# Altium PCB ADAM202303_BACKDOOR.PcbDoc (part 1 of 2)
Units mil, origin at the board's own origin, x right, y up, seen from the top; angles counter-clockwise.
Board outline 3869.58 x 3543.31 mil, 2 copper layers (Top Layer, Bottom Layer); 120 components, 83 nets, 420 pads, 203 vias.
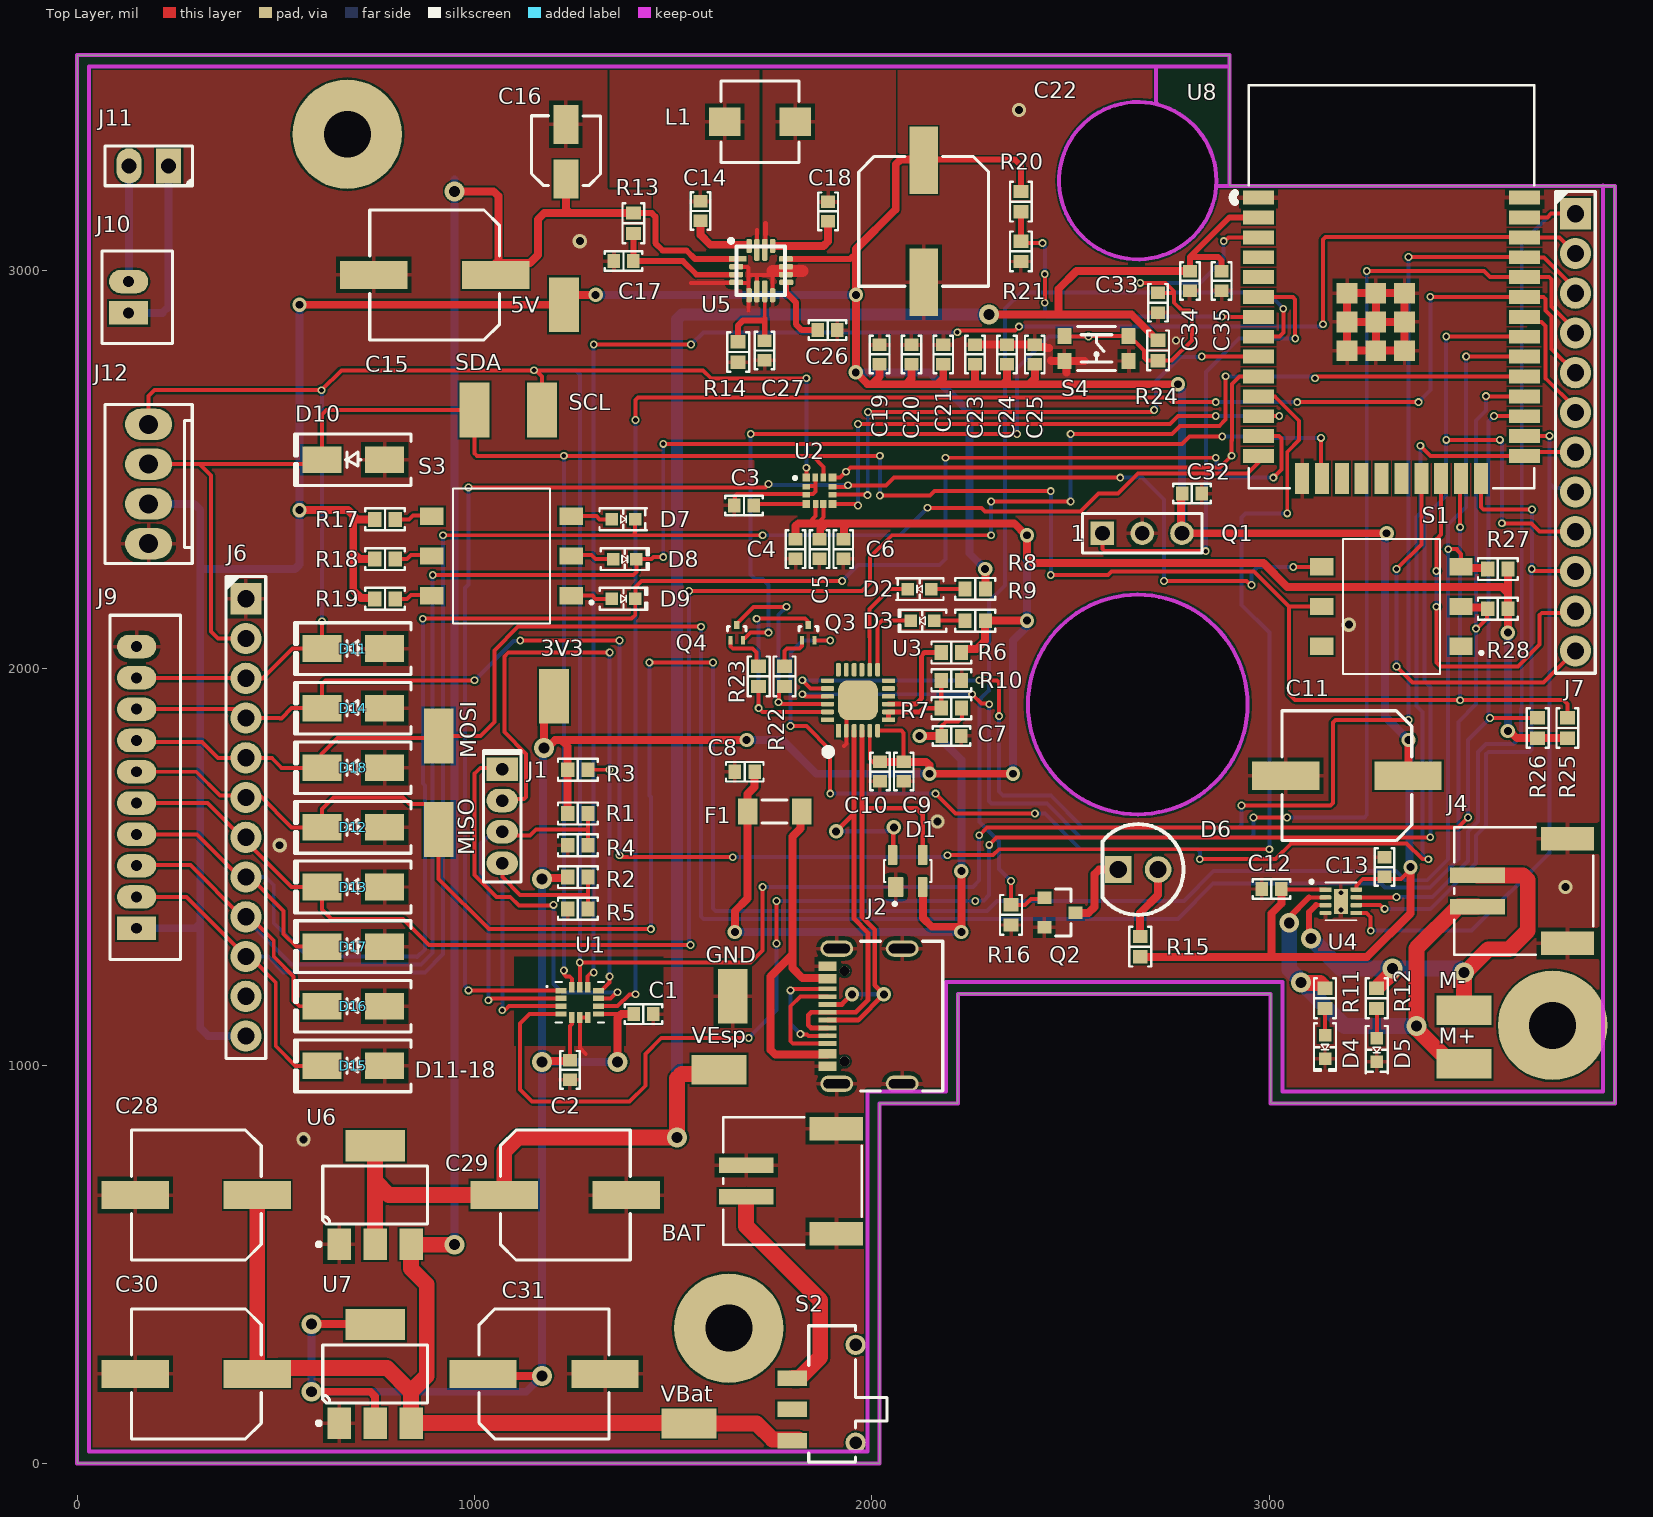
[diagram p0: Top Layer view]
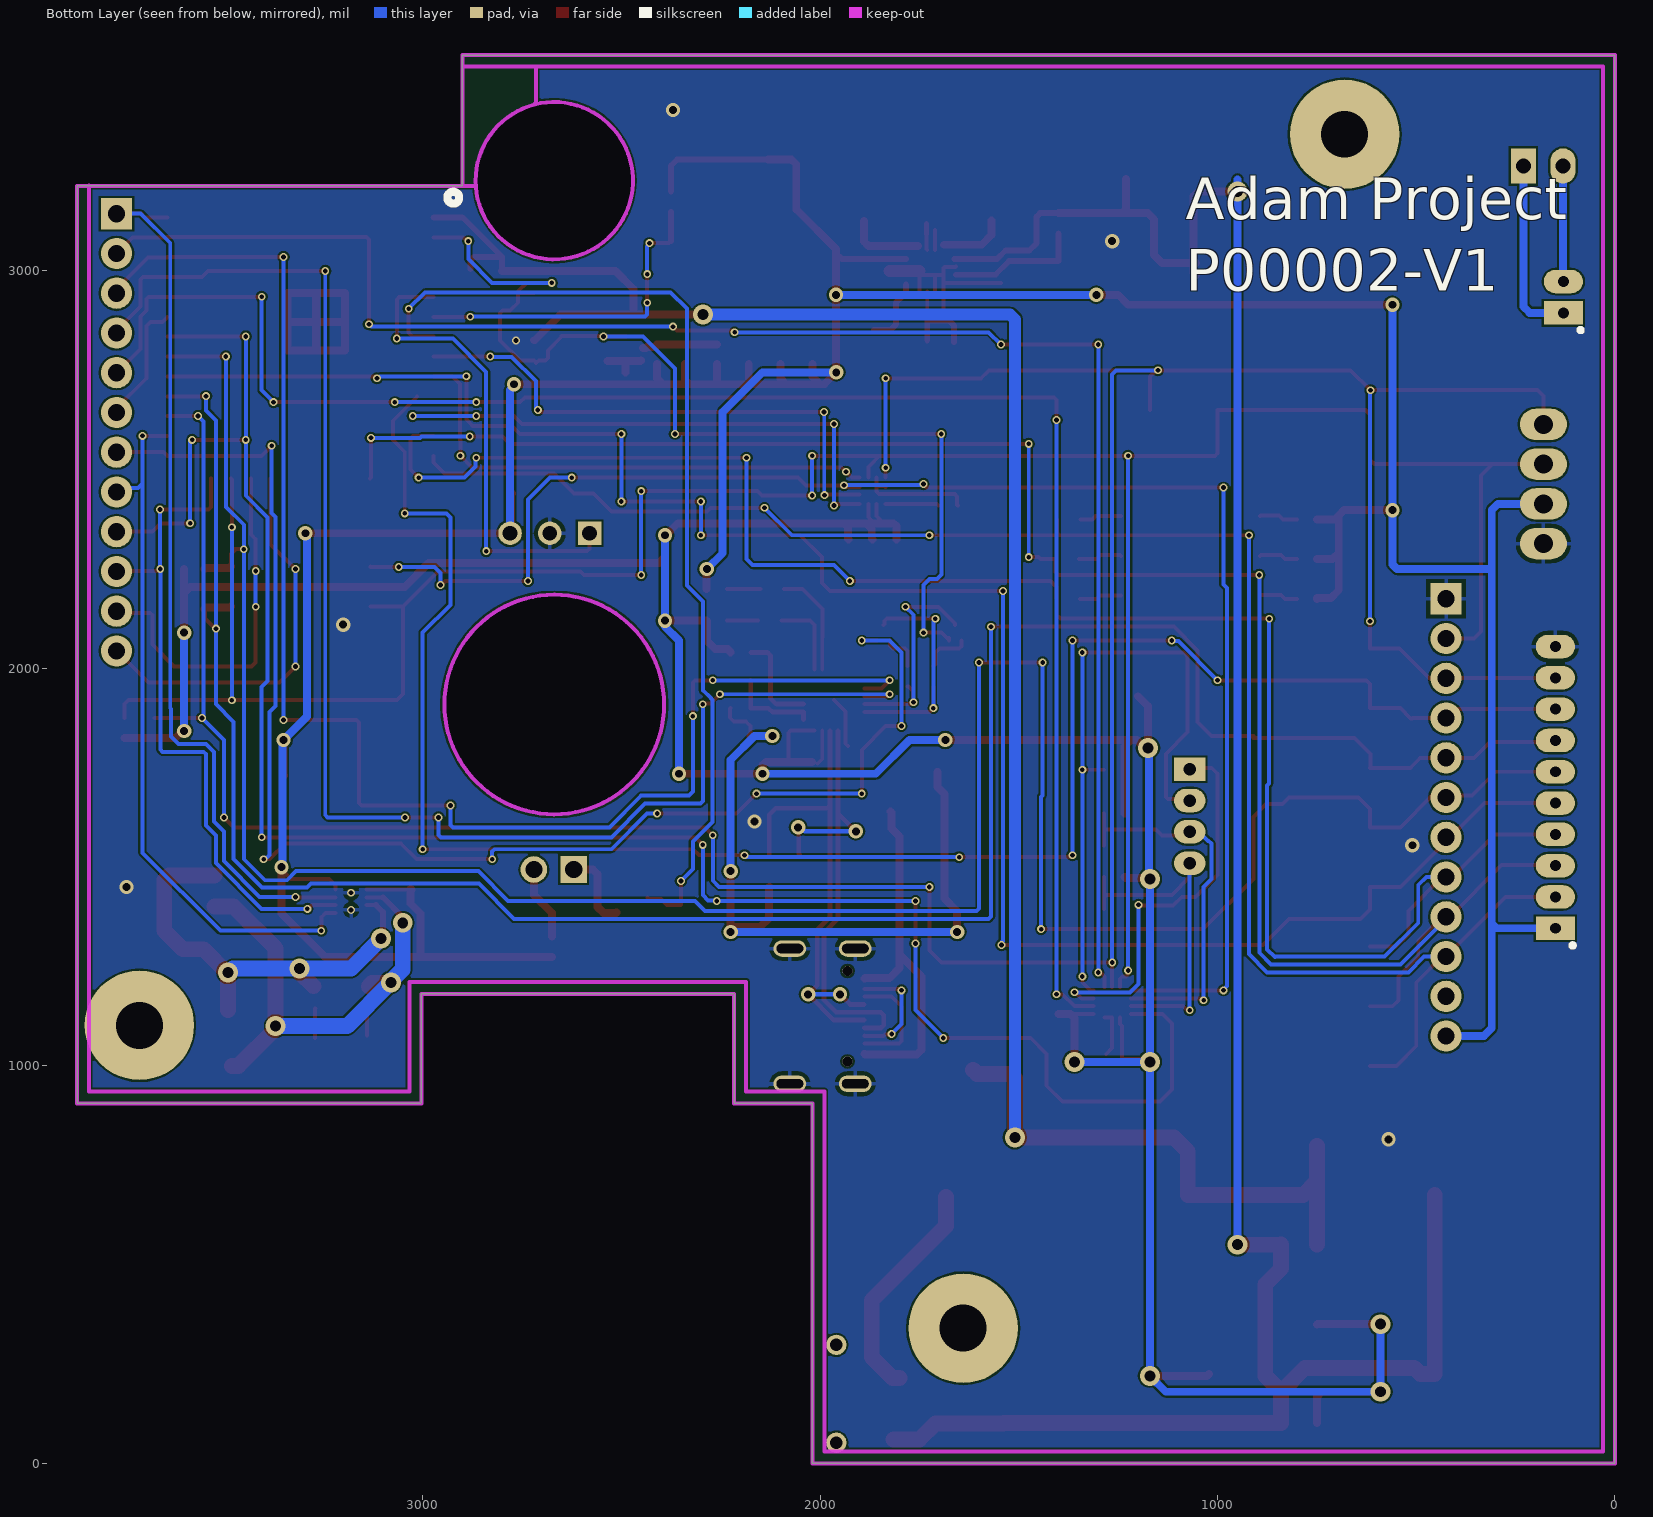
[diagram p1: Bottom Layer view, seen from below]
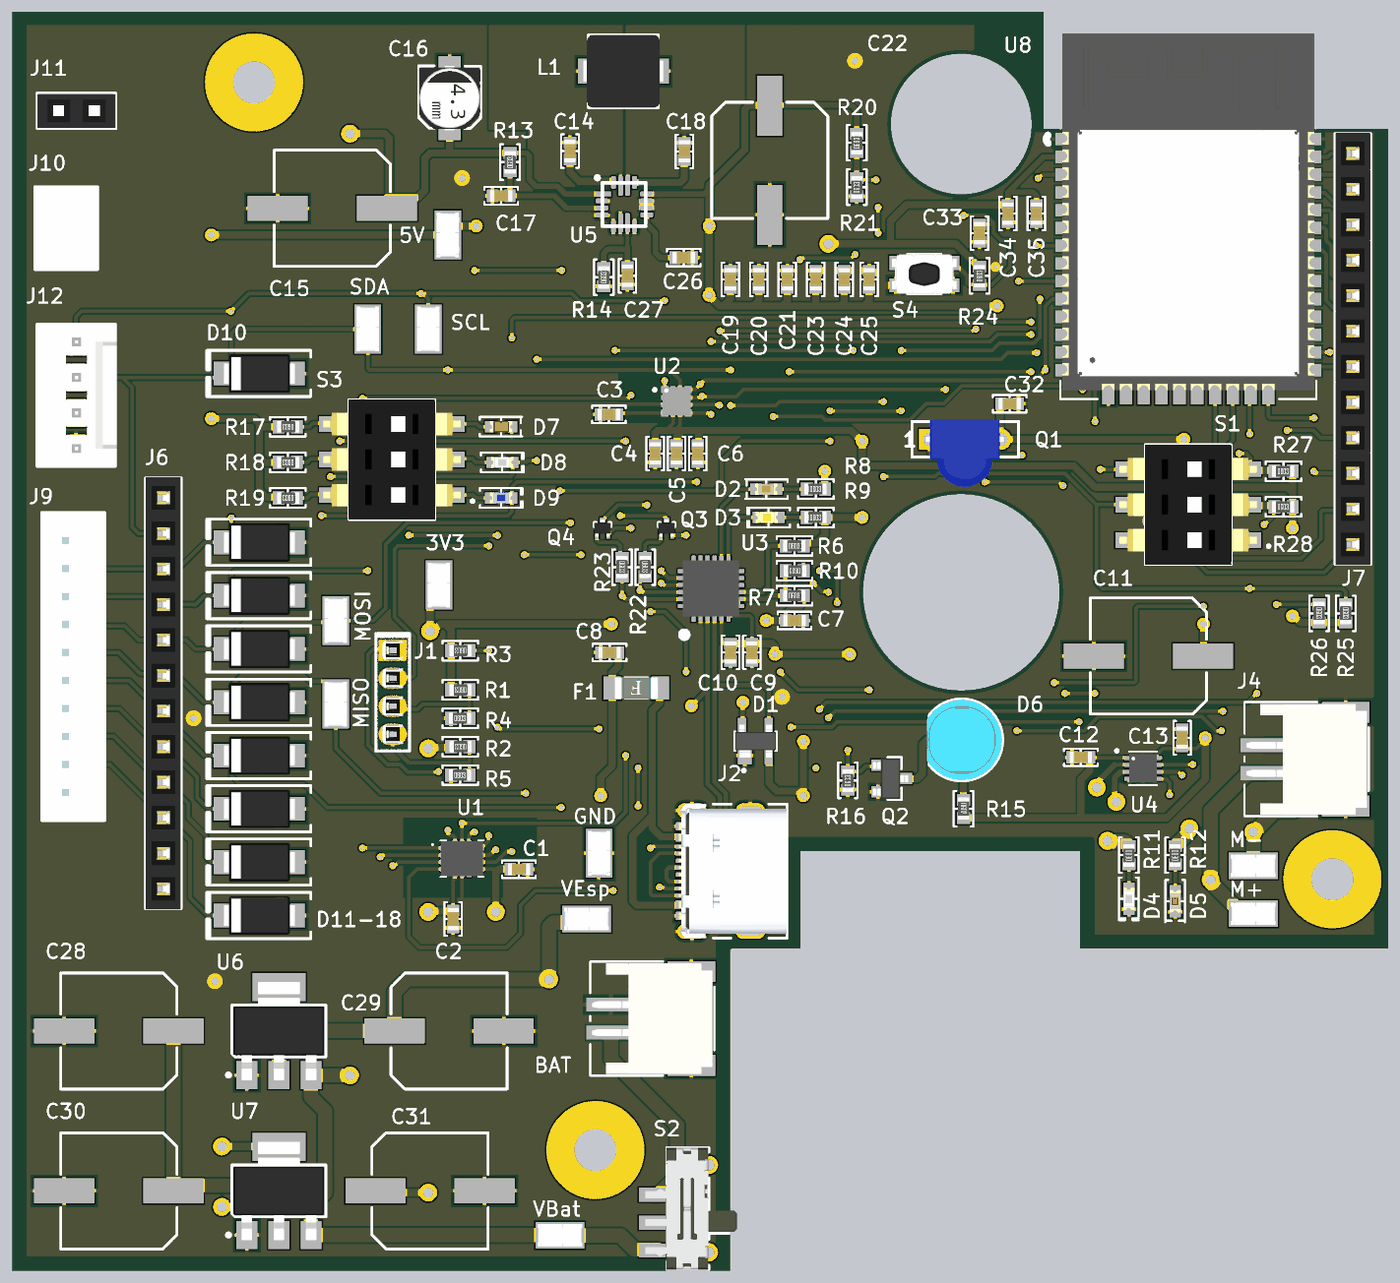
[diagram p3: 3D render of the assembled board from above, using the file's embedded part models]

## Layer stack, top to bottom
Top Solder: solder mask 0.4, Solder Resist, Dk 3.5
Top Layer: signal copper 1.4
Dielectric 1: dielectric 12.6, FR-4, Dk 4.8
Bottom Layer: signal copper 1.4
Bottom Solder: solder mask 0.4, Solder Resist, Dk 3.5

## Board outline
0,0 0,3543.31 2900,3543.31 2900,3214 3869.57,3214 3869.57,905.51 3003.43,905.51 3003.43,1181.1 2216.03,1181.1 2216.03,905.51 2019.18,905.51 2019.18,0
cut-out: 2668.86,3029.1 cw(c2668.86,3227.07) 2470.89,3227.07 cw(c2668.86,3227.07) 2668.86,3425.04 cw(c2668.86,3227.07) 2866.82,3227.07 cw(c2668.86,3227.07)
cut-out: 2668.85,1633.12 cw(c2668.85,1909.43) 2392.53,1909.43 cw(c2668.85,1909.43) 2668.85,2185.75 cw(c2668.85,1909.43) 2945.16,1909.43 cw(c2668.85,1909.43)

## Design rules (kind name [scope] priority, off if disabled: settings)
Clearance [All] p1: gap=5 ignorepadtopadclearanceinfootprint=FALSE
HoleSize [All] p1: absolutevalues=TRUE maxlimit=900 minlimit=11.81 maxpercent=80.000 minpercent=20.000
MinimumSolderMaskSliver [All] p1: minsoldermaskwidth=9
PolygonConnect [All] p1: thpad.connectstyle=Relief thpad.reliefconductorwidth=10 thpad.reliefentries=4 thpad.polygonreliefangle="90 Angle" thpad.airgapwidth=10 smdpad.connectstyle=Relief smdpad.reliefconductorwidth=10 smdpad.reliefentries=4 smdpad.polygonreliefangle="90 Angle" smdpad.airgapwidth=10 via.connectstyle=Direct via.reliefconductorwidth=10 via.reliefentries=4 via.polygonreliefangle="90 Angle" via.airgapwidth=10
RoutingVias [All] p1: holewidth=28 width=50 viastyle="Through Hole" minholewidth=11.81 minwidth=19.68 maxholewidth=28 maxwidth=50
SilkToSilkClearance [All] p1: silktosilkclearance=0
SilkToSolderMaskClearance [IsPad] p1: minsilkscreentomaskgap=0 clearancetoexposedcopper=TRUE
SolderMaskExpansion [All] p1: expansion=4 istentingtop=FALSE
Width [All] p1: maxlimit=100 minlimit=10 preferedwidth=10 minimp=50.000000 maximp=50.000000 favimp=50.000000
26 further rules are at their usual default settings.

## Classes and differential pairs
component class USB-UART: C7 C8 C9 C10 D1 D2 D3 F1 R6 R7 R8 R9 R10 U3 USB
component class Top-Sheet: 3V3 5V GND MISO MOSI SCL SDA VBat VEsp
component class MCU: C33 C34 C35 D10 D11 D11-18 D12 D13 D14 D16 D17 D18 J6 J7 Q3 Q4 R20 R21 R22 R23 R24 R25 R26 R27 R28 S4 U8
component class "Infrarouge R&T, LED SMD": C32 D6 D7 D8 D9 Q1 Q2 R15 R16 R17 R18 R19 S3
component class FrontDoorConnecteur: J9 J10 J11 J12
component class DriveMoteur: C11 C12 C13 D4 D5 J4 M+ M- R11 R12 U4
component class Alimentation: BAT C14 C15 C16 C17 C18 C19 C20 C21 C22 C23 C24 C25 C26 C27 C28 C29 C30 C31 L1 R13 R14 S2 U5 U6 U7
component class "3DSensor, Magnet": C1 C2 C3 C4 C5 C6 J1 R1 R2 R3 R4 R5 S1 U1 U2

## Components (designator, comment, footprint, x,y, rotation, side; value= is the part's Value field where it differs from the comment)
3V3 "TEST POINTS" "TEST POINTS" 1200,1930 r90 top (schematic designator T10)
5V "TEST POINTS" "TEST POINTS" 1225,2915 r90 top (schematic designator T11)
BAT "CONN JST 2P SM 90DEG" S2B-PH-SM4-TB_LF__SN 1800,710 r90 top (schematic designator J5)
C1 "0.1 µF" "CAP 0603" 1425,1130 r180 top
C2 "0.1 µF" "CAP 0603" 1240,990 r90 top
C3 "0.1 µF" "CAP 0603" 1677.98,2410 r0 top
C4 "0.1 µF" "CAP 0603" 1807.98,2300 r90 top
C5 "1 µF" "CAP 0603" 1867.98,2300 r90 top
C6 "1 µF" "CAP 0603" 1927.98,2300 r90 top
C7 "0.1 µF" "CAP 0603" 2200,1830 r180 top
C8 "4.7 µF" "CAP 0603" 1680,1740 r0 top
C9 "0.1 µF" "CAP 0603" 2080,1740.39 r90 top
C10 "4.7 µF" "CAP 0603" 2020,1740.39 r90 top
C11 "100 µF" "CAP ALSMD ELEC 8.3MM H10.5MM" 3195,1730 r180 top
C12 "0.1 µF" "CAP 0603" 3005,1445 r0 top
C13 "0.1 µF" "CAP 0603" 3290,1500 r270 top
C14 "0.1 µF" "CAP 0603" 1568.49,3151 r270 top
C15 "100 µF" "CAP ALSMD ELEC 8.3MM H10.5MM" 900,2990 r180 top
C16 "22 µF" "CAP ALSMD 4.3MM H5.4MM" 1230,3300 r90 top
C17 "22nF" "CAP 0603" 1375,3025 r0 top
C18 "0.1 µF" "CAP 0603" 1890,3150 r270 top
C19 "10 µF" "CAP 0603" 2019.51,2790 r270 top
C20 "10 µF" "CAP 0603" 2099.51,2790 r270 top
C21 "0.1 µF" "CAP 0603" 2179.51,2790 r270 top
C22 "100 µF" "CAP ALSMD ELEC 8.3MM H10.5MM" 2130.24,3125 r270 top
C23 "NA Cap" "CAP 0603" 2259.51,2790 r90 top
C24 "NA Cap" "CAP 0603" 2339.51,2790 r90 top
C25 "NA Cap" "CAP 0603" 2409.76,2790 r90 top
C26 "1 µF" "CAP 0603" 1888.49,2851 r0 top
C27 "22nF" "CAP 0603" 1730,2800 r90 top
C28 "100 µF" "CAP ALSMD ELEC 8.3MM H10.5MM" 300,675 r180 top
C29 "100 µF" "CAP ALSMD ELEC 8.3MM H10.5MM" 1228.54,675 r0 top
C30 "100 µF" "CAP ALSMD ELEC 8.3MM H10.5MM" 300,225 r180 top
C31 "100 µF" "CAP ALSMD ELEC 8.3MM H10.5MM" 1175,225 r0 top
C32 "0.1 µF" "CAP 0603" 2805,2440 r180 top
C33 "0.1 µF" "CAP 0603" 2720,2920 r90 top
C34 "0.1 µF" "CAP 0603" 2800,2975 r90 top
C35 "10 µF" "CAP 0603" 2880,2975 r90 top
D1 "TVS Diode 5.5V" "TVS 5.5 DIODE" 2090,1490 r90 top
D2 "Red" "Red Led 0603" 2120,2200 r180 top
D3 "Yellow" "YELLOW LED 0603 - duplicate" 2120,2120 r180 top
D4 "Green" "Green LED 0603" 3140,1050 r270 top
D5 "Red" "Red Led 0603" 3270,1040 r270 top
D6 "TSAL6100" "IR TRANSMITTER" 2670,1494 r0 top
D7 "Red" "Red Led 0603" 1375,2375 r0 top
D8 "Green" "Green LED 0603" 1375,2275 r0 top
D9 "Blue" "Blue LED 0603" 1375,2175 r0 top
D10 "TVS Diode" "TVS DIODE" 700,2525 r180 top
D11 "TVS Diode" "TVS DIODE" 700,2050 r180 top
D12 "TVS Diode" "TVS DIODE" 700,1600 r180 top
D13 "TVS Diode" "TVS DIODE" 700,1450 r180 top
D14 "TVS Diode" "TVS DIODE" 700,1900 r180 top
D15 "TVS Diode" "TVS DIODE" 700,1000 r180 top
D16 "TVS Diode" "TVS DIODE" 700,1150 r180 top
D17 "TVS Diode" "TVS DIODE" 700,1300 r180 top
D18 "TVS Diode" "TVS DIODE" 700,1750 r180 top
F1 "Fuse 500mA" "Fuse 500mA 0.6mm" 1755,1640 r180 top
GND "TEST POINTS" "TEST POINTS" 1650,1175 r90 top (schematic designator T7)
J1 "NPPN041BFCN-RC" "CONN FEM HEADER 4PIN" 1070,1628.11 r270 top
J2 "USB4105-GF-A" "USB C HORIZONTAL" 2075,1125 r90 top
J4 "CONN JST 2P SM 90DEG" S2B-PH-SM4-TB_LF__SN 3640,1440 r90 top
J6 "PPTC121LFBN-RC" "CONN 12PIN FEMALE" 425,1626.06 r0 top
J7 "PPTC121LFBN-RC" "CONN 12PIN FEMALE" 3770,2595.06 r0 top
J9 "B10B-PH-K-S(LF)(SN)" "CONN JST 10PIN" 150,1700.59 r90 top
J10 "B2B-PH-K-S(LF)(SN)" "CONN JST 2PIN" 130,2934 r90 top
J11 "SSW-102-03-T-S" "CONN FEM HEADER 2PIN" 180,3264 r180 top
J12 "CONN JST 4P 2.54MM" "MOLEX KK 0022272041" 180,2464 r90 top
L1 "4.7 µH" "IND 4.7UH 4.6A" 1718.49,3375.57 r0 top
M+ "TEST POINTS" "TEST POINTS" 3490,1005 r0 top (schematic designator T1)
M- "TEST POINTS" "TEST POINTS" 3490,1140 r0 top (schematic designator T2)
MISO "TEST POINTS" "TEST POINTS" 910,1595 r90 top (schematic designator T6)
MOSI "TEST POINTS" "TEST POINTS" 910,1830 r90 top (schematic designator T5)
Q1 "TSSP4038" "IR Receptor" 2580,2340 r0 top
Q2 "N-CH 30V 5.8A SOT23" "N-CHANNEL TRANS" 2434,1423 r0 top
Q3 "MMBT2222AM3T5G" SOT-723 1840,2090 r90 top
Q4 "MMBT2222AM3T5G" SOT-723 1660,2090 r90 top
R1 "NA" "RES 0603" 1260,1635 r180 top
R2 "NA" "RES 0603" 1260,1475 r180 top
R3 "NA" "RES 0603" 1260,1745 r180 top
R4 "NA" "RES 0603" 1260,1555 r0 top
R5 "NA" "RES 0603" 1260,1395 r0 top
R6 "1K" "RES 0603" 2200,2040 r0 top
R7 "22.1K" "RES 0603" 2200,1900 r0 top
R8 "150R" "RES 0603" 2260,2200 r0 top
R9 "1K" "RES 0603" 2260,2120 r0 top
R10 "47K" "RES 0603" 2200,1970 r180 top
R11 "150R" "RES 0603" 3140,1170 r90 top
R12 "150R" "RES 0603" 3270,1170 r90 top
R13 "499K" "RES 0603" 1400,3120 r90 top
R14 "21.5K" "RES 0603" 1663.49,2796 r90 top
R15 "30R" "RES 0603" 2675,1300 r270 top
R16 "10K" "RES 0603" 2350,1380 r90 top
R17 "150R" "RES 0603" 775,2375 r180 top
R18 "150R" "RES 0603" 775,2275 r180 top
R19 "100R" "RES 0603" 775,2175 r180 top
R20 "100K" "RES 0603" 2375,3174.41 r90 top
R21 "100K" "RES 0603" 2375,3049.41 r90 top
R22 "10K" "RES 0603" 1780,1980 r270 top
R23 "10K" "RES 0603" 1715,1980 r270 top
R24 "10K" "RES 0603" 2720,2800 r90 top
R25 "10K" "RES 0603" 3750,1850 r270 top
R26 "10K" "RES 0603" 3675,1850 r270 top
R27 "10K" "RES 0603" 3575,2250 r0 top
R28 "10K" "RES 0603" 3575,2150 r0 top
S1 "Dip Switch 3P" "DIPSWITCH SMD 3P" 3305,2155 r180 top
S2 "450405020524" "SL 3Pos Switch" 1900,175 r270 top
S3 "Dip Switch 3P" "DIPSWITCH SMD 3P" 1066,2282 r180 top
S4 "KMR741NG ULC LFS" "Switch Lin SMD" 2565,2805 r180 top
SCL "TEST POINTS" "TEST POINTS" 1170,2650 r90 top (schematic designator T4)
SDA "TEST POINTS" "TEST POINTS" 1000,2650 r90 top (schematic designator T3)
U1 "LSM6DSMTR" PQFN50P300X250X86-14N 1265,1160 r0 top
U2 "LIS3MDLTR" XDCR_LIS3MDLTR 1867.98,2447 r0 top
U3 "USB-UART CP2102N" CP2102N-USB-UART 1965,1920 r90 top
U4 "DRV8837CDSGT" DRV8837CDSGT 3180,1414 r0 top
U5 "MP28167GQ-P" MP2816GQ-P 1720.5,3000.84 r0 top
U6 "LD1117S33TR" SOT-223 750,675 r90 top
U7 "LD1117S33TR" SOT-223 750,225 r90 top
U8 "ESP32-WROOM-32 (8MB)" ESP32-WROOM-32D 3307.29,2959.96 r0 top
VBat "TEST POINTS" "TEST POINTS" 1540,100 r0 top (schematic designator T8)
VEsp "TEST POINTS" "TEST POINTS" 1615,990 r0 top (schematic designator T9)

## Footprints (in the part's own frame and the unit in brackets; to place one, negate y for a bottom-side part, rotate by r counter-clockwise, add the part's x,y. Pads: shape width x height; smd on the part's side, far side on the other; paste and mask are expansions set on the pad)
"Blue LED 0603" [mm] "Blue LED"
  rect 0.8x0.8 smd: 1(-0.75,0) 2(0.75,0)
  silkscreen extent -1.52,-0.7 1.52,0.7, body extent -0.8,-0.4 0.8,0.4, height 0.53
"CAP 0603" [mm] "Cap ceramique 0603"
  rect 0.8x0.9 smd: 1(-0.625,0) 2(0.625,0)
  silkscreen extent -1.2,-0.63 1.2,0.63, body extent -0.8,-0.41 0.8,0.41, height 0.82
"CAP ALSMD 4.3MM H5.4MM" [mm] "Aluminum Electrolytic Capacitor, Body 4.30x4.30x5.40mm, IPC Low Density"
  rect 2.5x1.6 smd: 1(-1.75,0) 2(1.75,0)
  silkscreen extent -2.17,-2.21 2.3,2.2, body extent -2.3,-2.2 2.3,2.2, height 5.4
"CAP ALSMD ELEC 8.3MM H10.5MM" [mm] "Aluminum SMD Electrolytic Capacitor, 8.30mm Land Size, 8.00mm Diameter, 10.50mm Height, 10.00mm Maximum Leads Span"
  rect 4.3x1.8 smd: 1(-3.9,0) 2(3.9,0)
  silkscreen extent -4.15,-4.15 4.15,4.15, body extent -5,-4.15 5,4.15, height 10.5
"CONN 12PIN FEMALE" [mm] "12 pin female conn 0.5mm spacing"
  rect 2x2 hole 1.1: 1(0,13.943)
  round 2 hole 1.1: 2(0,11.403) 3(0,8.863) 4(0,6.323) 5(0,3.783) 6(0,1.243) 7(0,-1.297) 8(0,-3.837) 9(0,-6.377) 10(0,-8.917) 11(0,-11.457) 12(0,-13.997)
  silkscreen extent -1.27,-15.43 1.27,15.4, body extent -1.25,-15.47 1.25,15.41, height 8.5
"CONN FEM HEADER 2PIN" [mm]
  rect 1.6x2.25 hole 0.95: 1(-1.285,-0.006)
  oval 1.6x2.25 hole 0.95: 2(1.255,-0.006)
  silkscreen extent -2.81,-1.28 2.79,1.26, body extent -2.81,-1.21 2.78,1.2, height 8.51
"CONN FEM HEADER 4PIN" [mm]
  rect 1.5x2 hole 0.8: 1(-3,0)
  oval 1.5x2 hole 0.8: 2(-1,0) 3(1,0) 4(3,0)
  silkscreen extent -4.2,-1.2 4.2,1.2, body extent -4.25,-1.2 4.25,1.2, height 4.41
"CONN JST 2PIN" [mm]
  rect 1.5x2.5 hole 0.7: 1(-1,0)
  oval 1.5x2.5 hole 0.7: 2(1,0)
  silkscreen extent -2.95,-2.8 2.95,1.7, body extent -2.95,-2.8 2.95,1.7, height 6
"CONN JST 10PIN" [mm]
  rect 1.5x2.5 hole 0.7: 1(-9,0)
  oval 1.5x2.5 hole 0.7: 2(-7,0) 3(-5,0) 4(-3,0) 5(-1,0) 6(1,0) 7(3,0) 8(5,0) 9(7,0) 10(9,0)
  silkscreen extent -11,-2.8 11,1.7, body extent -10.95,-2.8 10.95,1.7, height 6
CP2102N-USB-UART [mm] "USB TO UART"
  rect 0.85x0.3 smd: 1(-1.95,1.25)
  rrect50% 0.85x0.3 smd: 2(-1.95,0.75) 3(-1.95,0.25) 4(-1.95,-0.25) 5(-1.95,-0.75) 6(-1.95,-1.25) 13(1.95,-1.25) 14(1.95,-0.75) 15(1.95,-0.25) 16(1.95,0.25) 17(1.95,0.75) 18(1.95,1.25)
  rrect50% 0.3x0.85 smd: 7(-1.25,-1.95) 8(-0.75,-1.95) 9(-0.25,-1.95) 10(0.25,-1.95) 11(0.75,-1.95) 12(1.25,-1.95) 19(1.25,1.95) 20(0.75,1.95) 21(0.25,1.95) 22(-0.25,1.95) 23(-0.75,1.95) 24(-1.25,1.95)
  rrect50% 2.55x2.55 smd: 25(0,0)
  silkscreen extent -3.43,1.78 -3.18,2.03, body extent -2,-2 2,2, height 0.8
"DIPSWITCH SMD 3P" [mm] "Dip switch surface mount 3 positions"
  rect 1.5x1.1 smd: 1(-4.5,2.515) 2(-4.5,-0.025) 3(-4.5,-2.565) 4(4.4,-2.565) 5(4.4,-0.025) 6(4.4,2.515)
  silkscreen extent -5.9,-4.34 3.05,4.28, body extent -4.95,-4.31 4.85,4.25, height 3.7
DRV8837CDSGT [mm] "Drive moteur low-mid current"
  rect 0.74x0.28 smd: 1(-0.985,0.75)
  rrect45% 0.74x0.28 smd: 2(-0.985,0.25) 3(-0.985,-0.25) 4(-0.985,-0.75) 5(0.985,-0.75) 6(0.985,-0.25) 7(0.985,0.25) 8(0.985,0.75)
  rect 0.9x1.6 smd paste-2: 9(0,0)
  round 0.5 hole 0.3 mask+0: 9_1(0,0.55) 9_2(0,-0.55)
  silkscreen extent -1.95,-1.21 1,1.32, body extent -1,-1 1,1, height 0.8
ESP32-WROOM-32D [mil] "ESP32-WROOM-32D"
  rect 79x35 smd paste+0 mask+0: 1(-334.65,224.56) 2(-334.65,174.56) 3(-334.65,124.56) 4(-334.65,74.56) 5(-334.65,24.56) 6(-334.65,-25.44) 7(-334.65,-75.44) 8(-334.65,-125.44) 9(-334.65,-175.44) 10(-334.65,-225.44) 11(-334.65,-275.44) 12(-334.65,-325.44) 13(-334.65,-375.44) 14(-334.65,-425.44) 25(334.65,-425.44) 26(334.65,-375.44) 27(334.65,-325.44) 28(334.65,-275.44) 29(334.65,-225.44) 30(334.65,-175.44) 31(334.65,-125.44) 32(334.65,-75.44) 33(334.65,-25.44) 34(334.65,24.56) 35(334.65,74.56) 36(334.65,124.56) 37(334.65,174.56) 38(334.65,224.56)
  rect 35x79 smd: 15(-225,-482.18) 16(-175,-482.18) 17(-125,-482.18) 18(-75,-482.18) 19(-25,-482.18) 20(25,-482.18) 21(75,-482.18) 22(125,-482.18) 23(175,-482.18) 24(225,-482.18)
  rect 52x52 smd: 39(-111.78,-160.44) 39(-111.78,-88.2) 39(-111.78,-15.96) 39(-39.54,-160.44) 39(-39.54,-88.2) 39(-39.54,-15.96) 39(32.71,-160.44) 39(32.71,-88.2) 39(32.71,-15.96)
  silkscreen extent -400,-507 360,507, body extent -354,-482 354,522, height 128
"Fuse 500mA 0.6mm" [mm]
  rect 1.25x1.65 smd: 1(-1.725,0) 2(1.725,0)
  silkscreen extent -0.8,-0.72 0.8,0.72, body extent -1.55,-0.77 1.55,0.78, height 0.76
"Green LED 0603" [mm] "Green led SMD"
  rect 0.8x0.8 smd: 1(-0.671,0) 2(0.829,0)
  silkscreen extent -1.45,-0.7 1.6,0.7, body extent -0.72,-0.4 0.88,0.4, height 0.53
"IND 4.7UH 4.6A" [mm]
  rect 2x1.8 smd: 1(-2.25,0) 2(2.25,0)
  silkscreen extent -2.5,-2.6 2.5,2.6, body extent -2.85,-2.6 2.85,2.6, height 3
"IR Receptor" [mm]
  rect 1.5x1.5 hole 0.95: 1(0,0)
  round 1.5 hole 0.95: 2(2.54,0) 3(5.08,0)
  silkscreen extent -1.27,-1.27 6.35,1.27, body extent -0.38,-3.4 5.4,1.4, height 10.16
"IR TRANSMITTER" [mm]
  rect 1.7x1.7 hole 1.1 paste-1000 mask+0: 1(-1.27,0)
  round 1.7 hole 1.1 paste-1000 mask+0: 2(1.27,0)
  silkscreen extent -2.29,-2.9 2.9,2.9, body extent -3.08,-3.08 3.08,3.08, height 0.25
"MOLEX KK 0022272041" [mm]
  oval 2x3 hole 1.2: 1(-3.81,0) 2(-1.27,0) 3(1.27,0) 4(3.81,0)
  silkscreen extent -5.08,-2.79 5.08,2.79, body extent -5.08,-2.9 5.08,2.9, height 11.7
MP2816GQ-P [mm] "Footprint for the buck boost MP2816GQ-P"
  rect 1.1x0.35 smd: 1(-1.475,0.75)
  rrect50% 0.9x0.35 smd: 2(-1.574,0.25) 3(-1.574,-0.25) 4(-1.574,-0.75) 9(1.625,-0.75) 10(1.6,-0.25) 11(1.6,0.25) 12(1.6,0.75)
  rrect50% 0.35x0.9 smd: 5(-0.75,-1.574) 8(0.75,-1.574) 13(0.75,1.575) 16(-0.75,1.575)
  rrect50% 0.35x1.4 smd: 6(-0.25,-1.325) 7(0.25,-1.325) 14(0.25,1.325) 15(-0.25,1.325)
  silkscreen extent -2.03,-1.55 1.55,2.03, body extent -1.55,-1.55 1.55,1.55, height 1
"N-CHANNEL TRANS" [mm]
  rect 0.9x0.8 smd: 1(0,0) 2(0,-1.9) 3(2,-0.95)
  silkscreen extent 0.72,-2.45 1.7,0.55, body extent -0.34,-2.43 2.17,0.49, height 1.12
PQFN50P300X250X86-14N [mm]
  rect 0.7x0.35 smd: 1(-1.21,0.75) 2(-1.21,0.25) 3(-1.21,-0.25) 4(-1.21,-0.75) 8(1.21,-0.75) 9(1.21,-0.25) 10(1.21,0.25) 11(1.21,0.75)
  rect 0.35x0.7 smd: 5(-0.5,-0.96) 6(0,-0.96) 7(0.5,-0.96) 12(0.5,0.96) 13(0,0.96) 14(-0.5,0.96)
  silkscreen extent -2.15,-1.3 1.55,1.3, body extent -1.5,-1.25 1.5,1.25, height 0.86
"Red Led 0603" [mm] "red led smd"
  rect 0.8x0.8 smd: 1(-0.756,0.008) 2(0.744,0.008)
  silkscreen extent -1.53,-0.69 1.49,0.71, body extent -0.81,-0.39 0.79,0.41, height 0.53
"RES 0603" [mm]
  rect 0.85x0.95 smd: 1(-0.65,0) 2(0.65,0)
  silkscreen extent -1.27,-0.7 1.27,0.7, body extent -0.83,-0.4 0.77,0.4, height 0.45
S2B-PH-SM4-TB_LF__SN [mil] "Conn 2 pin smd horizontal S2B"
  rect 39x138 smd paste+0 mask+0: 1(-39.37,116.35) 2(39.37,116.35)
  rect 59x134 smd: 3(-131.89,-110.03) 4(131.89,-110.03)
  silkscreen extent -160,-174 160,174, body extent -156,-169 155,169, height 217
"SL 3Pos Switch" [mm] "Sliding 3 pos switch"
  rect 1x1.9 smd: 1(3,-2.55) 2(1,-2.55) 3(-1,-2.55)
  round 1.3 hole 0.8: MH(-3.125,1.5) MH(3.125,1.5)
  silkscreen extent -4.35,-1.5 4.35,3.5, body extent -4.45,-3.05 4.45,3.5, height 1.98
SOT-223 [mm] "For reg or other chip format SOT223"
  rect 2x1.5 smd: 1(-3.15,2.3) 2(-3.15,0) 3(-3.15,-2.3)
  rect 2x3.8 smd: 4(3.15,0)
  silkscreen extent -3.27,-3.35 1.85,3.72, body extent -3.52,-3.25 3.5,3.25, height 1.8
SOT-723 [mm] "For resistance NPN"
  rect 0.52x0.27 smd: 1(-0.49,0.4) 3(-0.49,-0.4)
  rect 0.52x0.36 smd: 2(0.49,0)
  silkscreen extent 0.1,-0.6 0.4,0.6, body extent -0.6,-0.6 0.6,0.6, height 0.55
"Switch Lin SMD" [mm]
  rect 0.9x1 smd mask+0.1: 1(-2.05,0.802) 2(2.05,0.802) 3(-2.05,-0.798) 4(2.05,-0.798)
  silkscreen extent -1.2,-1.4 1.2,1.4, body extent -2.3,-1.4 2.3,1.4, height 2.5
"TEST POINTS" [mm]
  rect 3.5x1.9 smd: 1(0,0)
  body extent -1.6,-0.8 1.6,0.8, height 2.01
"TVS 5.5 DIODE" [mm] "TVS diode"
  rrect15% 1.3x0.99 smd: 1(-1.016,0.762)
  rrect15% 1.3x0.59 smd: 2(-1.016,-0.958) 3(1.034,-0.958) 4(1.034,0.962)
  silkscreen extent -2.19,-1.52 0.71,1.52, body extent -1.18,-1.46 1.19,1.46, height 1.22
"TVS DIODE" [mm]
  rect 2.5x1.7 smd: 1(-1.873,0) 2(2.127,0)
  silkscreen extent -3.56,-1.65 3.88,1.65, body extent -2.47,-1.37 2.73,1.37, height 2.4
"USB C HORIZONTAL" [mm] "USB C 16 pins"
  rect 0.6x1.15 smd: A1_B12(-3.2,4.73) A4_B9(-2.4,4.73) B1_A12(3.2,4.73) B4_A9(2.4,4.73)
  rect 0.3x1.15 smd: A5(-1.25,4.73) A6(-0.25,4.73) A7(0.25,4.73) A8(1.25,4.73) B5(1.75,4.73) B6(0.75,4.73) B7(-0.75,4.73) B8(-1.75,4.73)
  oval 1.05x2.1 hole 0.6 slot 1.7 at 90 deg: S1(-4.32,4.155) S2(-4.32,-0.025) S3(4.32,-0.025) S4(4.32,4.155)
  round 0.65 hole 0.65 unplated: ""(-2.89,3.655) ""(2.89,3.655)
  silkscreen extent -4.79,-2.63 4.79,2.62, body extent -4.79,-2.63 4.79,5.08, height 3.31
XDCR_LIS3MDLTR [mm]
  rect 0.5x0.5 smd mask+0: 1(-0.838,0.838) 4(-0.838,-0.838) 7(0.838,-0.838) 10(0.838,0.838)
  rect 0.5x0.35 smd mask+0: 2(-0.838,0.254) 3(-0.838,-0.254) 8(0.838,-0.254) 9(0.838,0.254)
  rect 0.35x0.5 smd mask+0: 5(-0.25,-0.839) 11(0.254,0.838) 12(-0.254,0.838)
  rect 0.4x0.5 smd mask+0: 6(0.25,-0.839)
  silkscreen extent -1.66,0.72 -1.46,0.92, body extent -1,-1 1,1, height 1
"YELLOW LED 0603 - duplicate" [mm] "Yellow led 0603 SMD"
  rect 0.8x0.8 smd: 1(-0.925,0) 2(0.575,0)
  silkscreen extent -1.7,-0.7 1.35,0.7, body extent -0.85,-0.4 0.75,0.4, height 0.53

## Part data
3V3 5V GND M+ M- MISO MOSI SCL SDA VBat VEsp: "RCWCTE TEST POINTS", Manufacturer Part Number 1=RCWCTE, ADAM Inventory Number 1=E00009
BAT J4: "CONN SM JST 2P", Manufacturer Part Number 1=S2B-PH-SM4-TB(LF)(SN), Mfr_Name=JST, ADAM Inventory Number 1=E00052, Copyright="Copyright (C) 2023 Ultra Librarian. All rights reserved.", RefDes=RefDes, Supplier 1="Arrow Electronics", Supplier Part Number 1=S2B-PH-SM4-TB(LF)(SN), Type=DEV
C1 C2 C3 C4 C7 C9 C12 C13 C14 C18 C21 C32 C33 C34: library part "CAP CER 0.1UF 50V X7R 0603", "CAP CER 0.1UF 50V X7R 0603", Device Package="0603 (1608 Metric)", manufacturer=KEMET, Manufacturer Part Number 1=C0603C104K5RAC7411, Operating Temperature="-55°C ~ 125°C", Supplier Part Number 1=399-C0603C104K5RAC7411CT-ND, Temperature Coefficient=X7R, Tolerance=±10%, Voltage - Rated=50V, ADAM Inventory Number 1=E00060, Applications="Bypass, Decoupling", Capacitance="0.1 µF", componentlink1description=Datasheet, componentlink1url=https://api.kemet.com/component-edge/download/datasheet/C0603C104K5RAC7411.pdf, componentlink2description="DigiKey Link", componentlink2url=https://www.digikey.com/en/products/detail/kemet/C0603C104K5RAC7411/3317013, lastupdated="2023-03-28 19:09:05", Lifecycle Status=Active, Minimum Order=1, Mounting Type="Surface Mount, MLCC", Package / Case="0603 (1608 Metric)", packaging=TapeAndReel, Part Status=Active, partid=2233, price=0.01, series="SMD Comm X7R", Size / Dimension="0.063\" L x 0.031\" W (1.60mm x 0.80mm)", Supplier 1=DigiKey, Thickness (Max)="0.035\" (0.90mm)"
C5 C6 C26: library part "CAP CER 1UF 16V X7R 0603", "CAP CER 1UF 16V X7R 0603", Device Package="0603 (1608 Metric)", manufacturer=KEMET, Manufacturer Part Number 1=C0603C105K4RACAUTO, Operating Temperature="-55°C ~ 125°C", Ratings=AEC-Q200, Supplier Part Number 1=399-17704-2-ND, Temperature Coefficient=X7R, Tolerance=±10%, Voltage - Rated=16V, ADAM Inventory Number 1=E00058, Applications="Automotive, Bypass, Decoupling", Capacitance="1 µF", componentlink1description=Datasheet, componentlink1url=https://api.kemet.com/component-edge/download/datasheet/C0603C105K4RACAUTO.pdf, componentlink2description="DigiKey Link", componentlink2url=https://www.digikey.com/en/products/detail/kemet/C0603C105K4RACAUTO/8635831, lastupdated="2023-03-30 19:09:16", Lifecycle Status=Active, Minimum Order=0, Mounting Type="Surface Mount, MLCC", Package / Case="0603 (1608 Metric)", Part Status=Active, partid=2179, price=0, series="SMD Auto X7R", Size / Dimension="0.063\" L x 0.031\" W (1.60mm x 0.80mm)", Supplier 1=DigiKey, Thickness (Max)="0.037\" (0.95mm)"
C8 C10: library part "CAP CER 4.7UF 25V X5R 0603", "CAP CER 4.7UF 25V X5R 0603", Device Package="0603 (1608 Metric)", manufacturer="Samsung Electro-Mechanics", Manufacturer Part Number 1=CL10A475KA8NQNC, Operating Temperature="-55°C ~ 85°C", Supplier Part Number 1=1276-1900-1-ND, Temperature Coefficient=X5R, Tolerance=±10%, Voltage - Rated=25V, ADAM Inventory Number 1=E00056, Applications="General Purpose", Capacitance="4.7 µF", componentlink1description=Datasheet, componentlink1url=http://www.samsungsem.com/kr/support/product-search/mlcc/CL10A475KA8NQNC.jsp, componentlink2description="DigiKey Link", componentlink2url=https://www.digikey.com/en/products/detail/samsung-electro-mechanics/CL10A475KA8NQNC/3887558, lastupdated="2023-03-30 19:09:15", Lifecycle Status=Active, Minimum Order=1, Mounting Type="Surface Mount, MLCC", Package / Case="0603 (1608 Metric)", packaging=TapeAndReel, Part Status=Active, partid=2349, price=0.06, series=CL, Size / Dimension="0.063\" L x 0.031\" W (1.60mm x 0.80mm)", Supplier 1=DigiKey, Thickness (Max)="0.035\" (0.90mm)"
C11 C15 C22 C28 C29 C30 C31: library part "CAP ALUM 100UF 20% 50V SMD", "CAP ALUM 100UF 20% 50V SMD", Device Package="Radial, Can - SMD", Lifetime @ Temp.="1000 Hrs @ 105°C", manufacturer=Nichicon, Manufacturer Part Number 1=UWT1H101MNL1GS, Operating Temperature="-55°C ~ 105°C", Ripple Current @ High Frequency="210 mA @ 10 kHz", Ripple Current @ Low Frequency="140 mA @ 120 Hz", Supplier Part Number 1=493-2226-1-ND, Tolerance=±20%, Voltage - Rated="50 V", ADAM Inventory Number 1=E00063, Applications="General Purpose", Capacitance="100 µF", componentlink1description=Datasheet, componentlink1url=https://products.nichicon.co.jp/en/pdf/XJA043/e-uwt.pdf, componentlink2description="DigiKey Link", componentlink2url=https://www.digikey.com/en/products/detail/nichicon/UWT1H101MNL1GS/589967, Height - Seated (Max)="0.413\" (10.50mm)", lastupdated="2023-04-08 20:11:02", Lifecycle Status=Active, Minimum Order=1, Mounting Type="Surface Mount", Package / Case="Radial, Can - SMD", packaging=TapeAndReel, Part Status=Active, partid=7453, Polarization=Polar, price=0.11, series=UWT, Size / Dimension="0.315\" Dia (8.00mm)", Supplier 1=DigiKey, Surface Mount Land Size="0.327\" L x 0.327\" W (8.30mm x 8.30mm)"
C16: library part EEE-1CA220WAR, "CAP ALUM 22UF 20% 16V SMD", Device Package="Radial, Can - SMD", Lifetime @ Temp.="1000 Hrs @ 85°C", manufacturer="Panasonic Electronic Components", Operating Temperature="-40°C ~ 85°C", Ratings=AEC-Q200, Ripple Current @ High Frequency="47.6 mA @ 10 kHz", Ripple Current @ Low Frequency="28 mA @ 120 Hz", Supplier Part Number 1=PCE4581CT-ND, Tolerance=±20%, Voltage - Rated="16 V", Applications=Automotive, Capacitance="22 µF", componentlink1description=Datasheet, componentlink1url=https://industrial.panasonic.com/cdbs/www-data/pdf/RDE0000/ABA0000C1142.pdf, componentlink2description="DigiKey Link", componentlink2url=https://www.digikey.com/en/products/detail/panasonic-electronic-components/EEE-1CA220WAR/1717747, Height - Seated (Max)="0.213\" (5.40mm)", lastupdated="2023-04-12 19:58:21", Lifecycle Status=Active, Minimum Order=1, Mounting Type="Surface Mount", Package / Case="Radial, Can - SMD", packaging=TapeAndReel, Part Number=EEE-1CA220WAR, Part Status=Active, partid=7046, Polarization=Polar, price=0.07, series=S, Size / Dimension="0.157\" Dia (4.00mm)", Supplier 1=DigiKey, Surface Mount Land Size="0.169\" L x 0.169\" W (4.30mm x 4.30mm)"